# Altium PCB slave.PcbDoc (part 3 of 5) (continued)
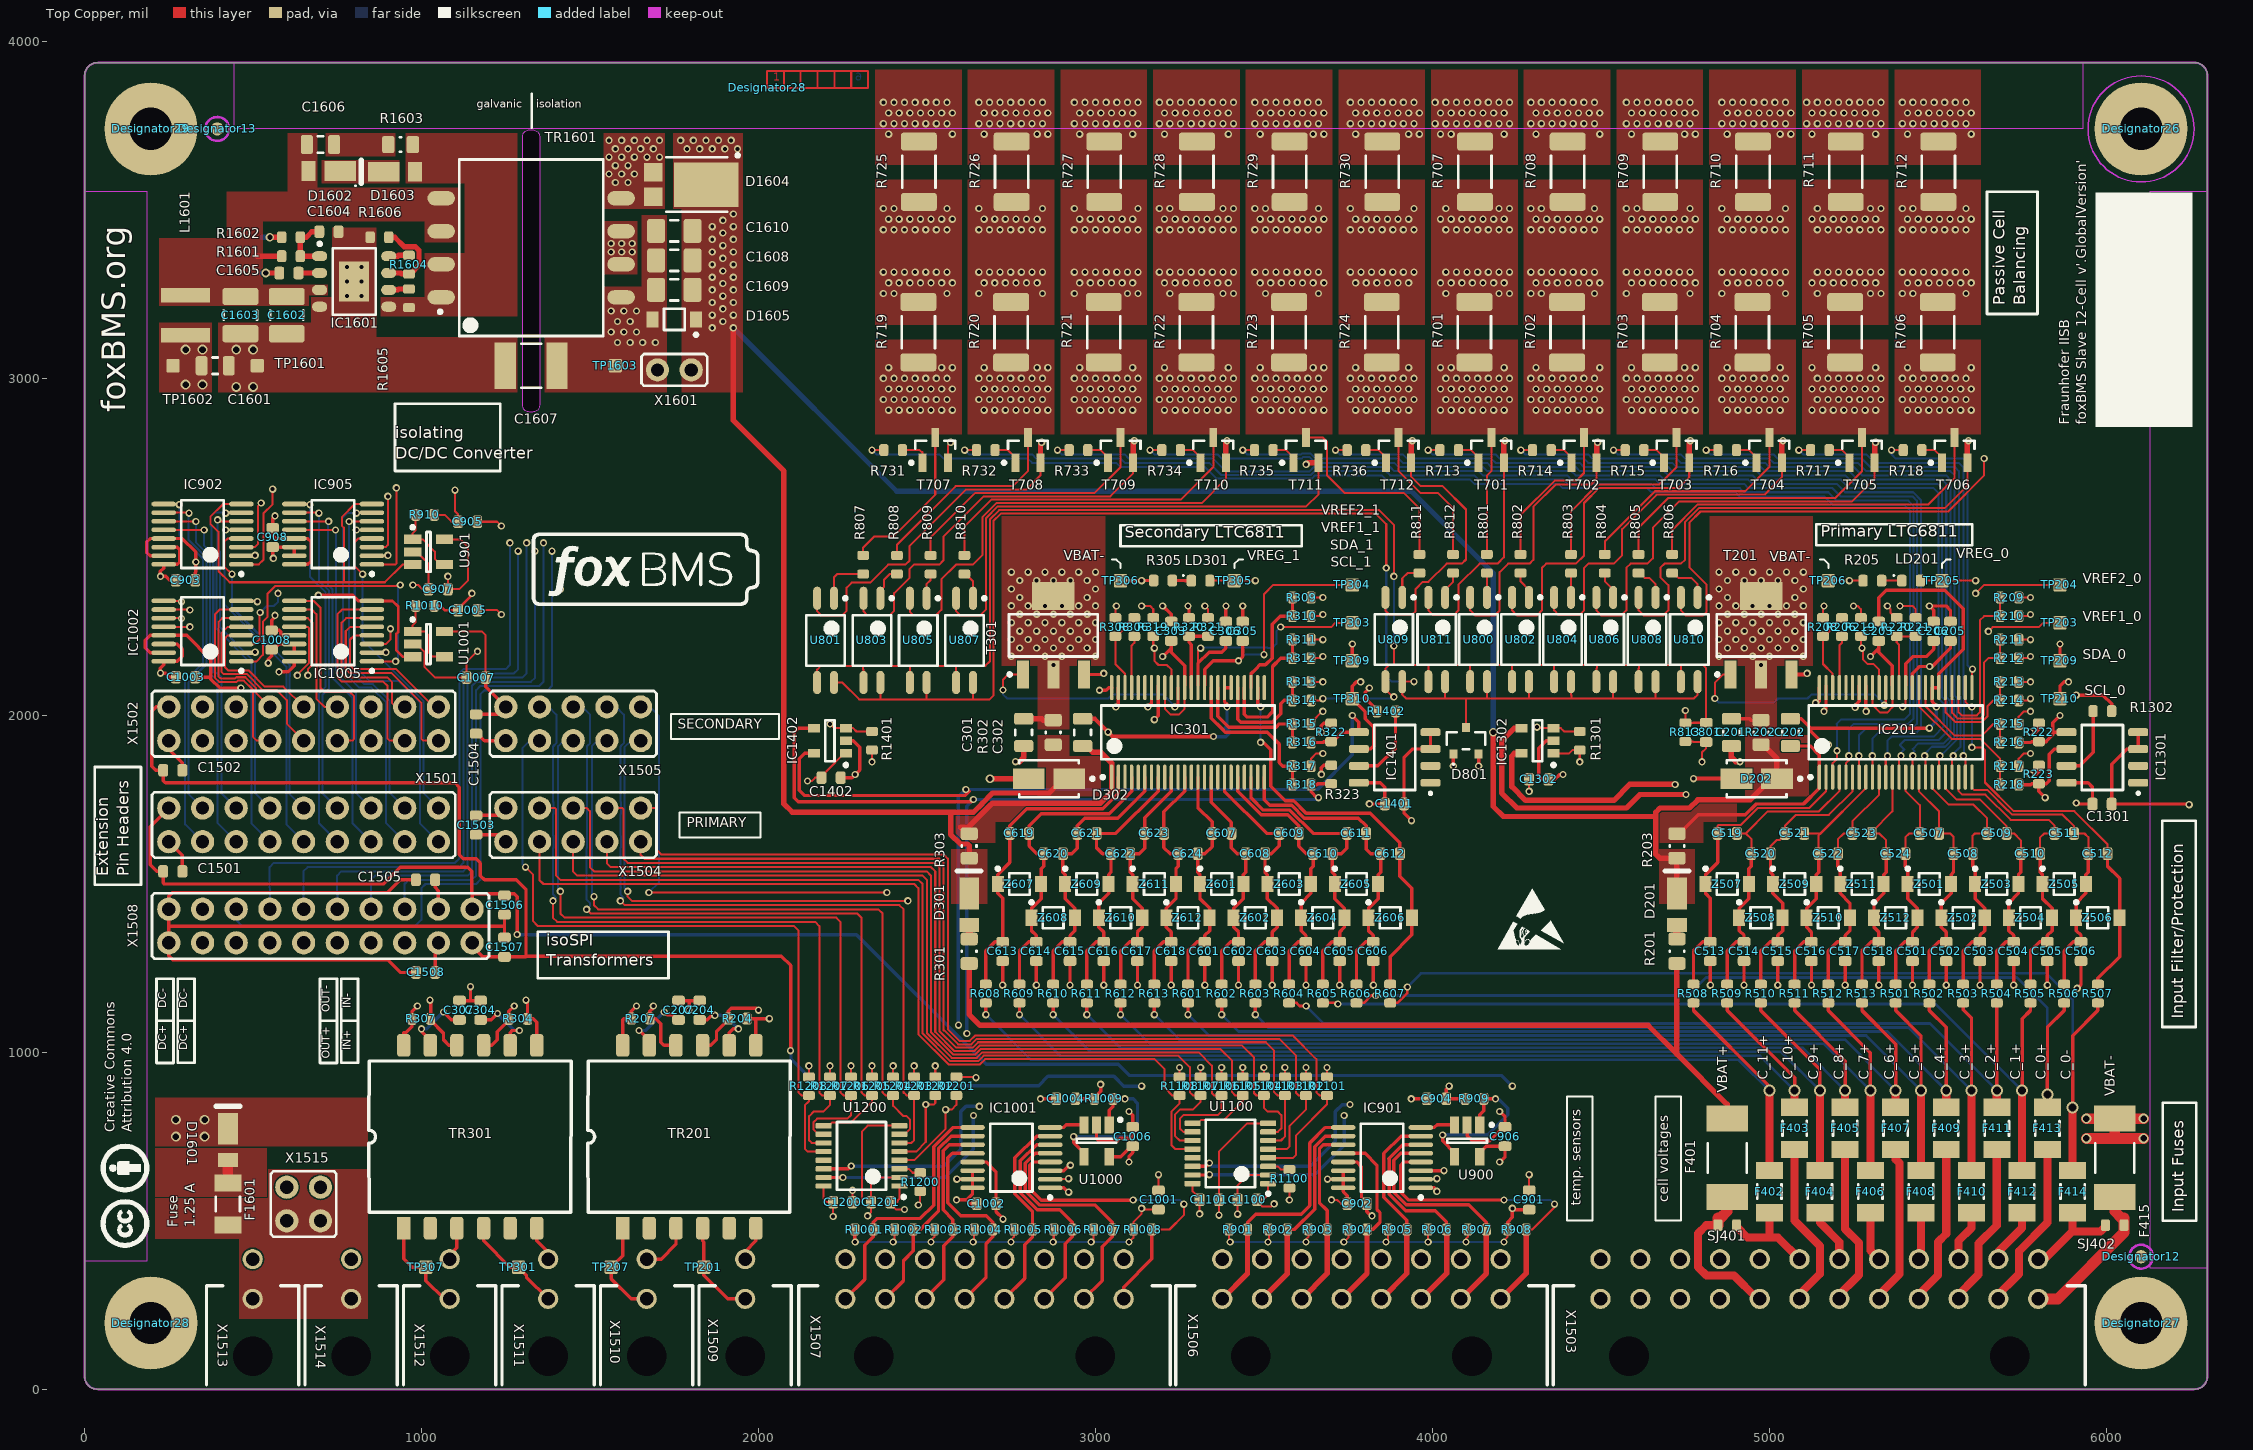
[diagram p0: Top Copper view]
## Nets (pads, with @x,y where several pads share a name; then routed paths per layer and width w, separated by ;. In a path a pad name is that pad's centre, name@x,y a point inside that pad or via, vN(x,y) a via of type N, cw(c..) or ccw(c..) an arc to the next point about the centre after c; other vN are vias at no path point) (continued)
  Top Copper w12: C302.2@2961.71,1989.86 2997.64,1989.86 v1(3037.5,1950) 3050.49,1937.01 v1(3350,1937.01) ; v1(4774.21,1812.01) D202.2@4887.7,1812.01
  Top Copper w16: v4(2686.71,1812.01) D302.2@2787.7,1812.01 ; v1(2762.5,1862.5) 2775,1862.5 2786.71,1875.79 C301.2@2786.71,1909.16 C301.2@2786.71,1910.14 ; C201.2@4886.71,1910.14 C201.2@4886.71,1909.16 4886.71,1875.79 4900,1862.5 v1(4912.5,1862.5)
  Top Copper w32: v2(5940,744.72) 6025,744.72 ; v2(5940,803.15) F415.2@6024.21,803.15 ; v2(6110,744.72) 6025,744.72 ; v2(6110,803.15) F415.2@6024.21,803.15 ; F415.2@6024.21,803.15 6024.21,745.51 6025,744.72
  FUSED_VBAT- w6: 2724.21,1174.51 v1(2724.21,1199.51) ; 2824.21,1174.51 v1(2824.21,1199.51) ; 2924.21,1174.51 v1(2924.21,1199.51) ; 3024.21,1174.51 v1(3024.21,1199.51) ; v1(3061.71,2324.51) 3086.71,2324.51 ; 3124.21,1174.51 v1(3124.21,1199.51) ; 3136.71,2374.51 v1(3136.71,2399.51) ; 3224.21,1174.51 v1(3224.21,1199.51) ; 3249.21,2324.51 v1(3274.21,2324.51) ; 3324.21,1174.51 v1(3324.21,1199.51) ; 3424.21,1174.51 v1(3424.21,1199.51) ; 3524.21,1174.51 v1(3524.21,1199.51) ; 3624.21,1174.51 v1(3624.21,1199.51) ; 3724.21,1174.51 v1(3724.21,1199.51) ; 3799.21,1199.51 v1(3824.21,1199.51) ; v1(4286.71,637.01) 4286.71,662.01 ; v1(4386.71,1824.51) 4411.71,1824.51 ; 4774.21,1862.01 v1(4799.21,1862.01) ; v1(5161.71,2324.51) 5186.71,2324.51 ; 5236.71,2374.51 v1(5236.71,2399.51) ; v1(5349.21,2324.51) 5349.21,2349.51
  FUSED_VBAT- w10: 225,2100 v1(225,2125) ; 225,2387.5 v1(225,2412.5) ; v1(545,2155) 545,2130 550,2125 ; 550,2425 560,2435 v1(560,2466) ; v1@1143.75,1200 1145,1198.75 v1(1145,1195) ; 1793.75,1100 v1(1793.75,1125) ; 2811.71,862.01 v1(2836.71,862.01) ; v1(3037.5,1950) 3062.5,1950 ; v1(3199.21,2324.51) 3199.21,2349.51 ; 3361.71,2324.51 v1(3386.71,2324.51) ; 3411.71,2324.51 v1(3436.71,2324.51) ; 3937.5,1662.5 v1(3937.5,1687.5) ; 4824.21,1174.51 v1(4824.21,1199.51) ; 4924.21,1174.51 v1(4924.21,1199.51) ; 5024.21,1174.51 v1(5024.21,1199.51) ; 5124.21,1174.51 v1(5124.21,1199.51) ; 5175,1887.5 v1(5175,1912.5) ; 5224.21,1174.51 v1(5224.21,1199.51) ; 5324.21,1174.51 v1(5324.21,1199.51) ; 5424.21,1174.51 v1(5424.21,1199.51) ; v1(5474.21,2324.51) 5474.21,2349.51 ; 5524.21,1174.51 v1(5524.21,1199.51) ; 5624.21,1174.51 v1(5624.21,1199.51) ; 5724.21,1174.51 v1(5724.21,1199.51) ; 5824.21,1174.51 v1(5824.21,1199.51) ; v1(5912.82,1190) 5927.5,1190 5925,1187.5
  FUSED_VBAT- w12: 4749.21,1812.01 v1(4774.21,1812.01)
  FUSED_VBAT- w16: 2661.71,1812.01 v4(2686.71,1812.01) ; 2737.5,1862.5 v1(2762.5,1862.5) ; v1(4912.5,1862.5) 4937.5,1862.5
  Bot Copper w10: v1(3350,1937.01) 3386.71,1937.01 3399.21,1949.51 3385,1963.72 3390,1968.72 v1(3390,2025) ; v1(5474.21,1962.01) 5495,1982.8 v1(5495,2025)
  other v1: 1581.25,3106.25 1618.75,3106.25 1656.25,3106.25 1693.75,3106.25 1562.5,3137.5 1600,3137.5 1637.5,3137.5 1581.25,3168.75 1618.75,3168.75 1562.5,3200 1600,3200 1637.5,3200
GLOBAL-BALANCING-FEEDBACK: C801.2 R214.1 R314.1 R813.1 U800.3 U801.3 U802.3 U803.3 U804.3 U805.3 U806.3 U807.3 U808.3 U809.3 U810.3 U811.3 | length 5845.7
  Top Copper w6: U801.3@2173.81,2097.46 2173.81,2135.91 2184.87,2146.97 2310.52,2146.97 ; U803.3@2311.31,2097.46 2311.31,2135.91 2310.52,2136.7 2310.52,2146.97 ; U805.3@2448.81,2097.46 2448.81,2146.97 ; U807.3@2586.31,2097.46 2586.31,2146.97 ; R314.1@3641.24,2044.51 3669.21,2044.51 v1(3674.21,2049.51) ; v1(3885,2055) 3882.36,2055 3860,2077.36 U809.3@3860,2100 3860,2138.45 3871.55,2150 3887.5,2150 ; v1(3885,2205.73) 3885,2152.5 3887.5,2150 ; v1(3885,2412.5) 3885,2565 3841.28,2608.72 2713.72,2608.72 2686.71,2581.71 2686.71,2160.66 2673.02,2146.97 2586.31,2146.97 ; U811.3@3987.5,2100 3987.5,2150 ; U800.3@4111.71,2100 4111.71,2149.21 4112.5,2150 ; U802.3@4235.92,2100 4235.92,2150 ; U804.3@4360.83,2100 4360.83,2148.33 4362.5,2150 ; U806.3@4485.92,2100 4485.92,2138.45 4487.5,2140.03 4487.5,2150 ; U808.3@4611.71,2100 4611.71,2138.45 4612.5,2139.24 4612.5,2150 ; U810.3@4736.61,2100 4736.61,2149.11 4737.5,2150 ; v1(4750,2014.46) R813.1@4750,1977.56 4771.72,1977.56 4772.21,1978.05 C801.2@4811.71,1978.05 4811.71,2140.03 4801.74,2150 4737.5,2150 ; R214.1@5741.24,2044.51 5769.21,2044.51 v1(5774.21,2049.51) ; 2310.52,2146.97 2448.81,2146.97 ; 2448.81,2146.97 2586.31,2146.97 ; 3887.5,2150 3987.5,2150 ; 3987.5,2150 4112.5,2150 ; 4112.5,2150 4235.92,2150 ; 4235.92,2150 4362.5,2150 ; 4362.5,2150 4487.5,2150 ; 4487.5,2150 4612.5,2150 ; 4612.5,2150 4737.5,2150
  Signal Layer 3 w6: v1(4750,2014.46) 4807.36,2071.83 5329.04,2071.83 5362.5,2038.37 5362.5,2026.63 5395.96,1993.17 5717.87,1993.17 v1(5774.21,2049.51)
  Bot Copper w6: v1(3674.21,2049.51) 3874.21,2049.51 3885,2060.3 v1(3885,2055) ; v1(3885,2205.73) v1(3885,2412.5)
LTC-Drive_0: IC201.38 T201.1 | length 698.6
  Top Copper w6: v1(4837.5,2050) 4837.5,2096.13 4862.73,2121.36 T201.1@4884.45,2121.36 ; v1(5340,2030) 5344.69,2034.69 IC201.38@5344.69,2088.68
  Bot Copper w6: v1(4837.5,2050) 4850,2037.5 5012.5,2037.5 5025,2050 5112.5,2050 5125,2062.5 5312.5,2062.5 5340,2035 v1(5340,2030)
LTC-Drive_1: IC301.38 T301.1 | length 707.5
  Top Copper w6: v1(2725,2075) 2725,2105 2741.36,2121.36 T301.1@2784.45,2121.36
  Top Copper w10: v1(3235,2025) 3244.68,2034.68 IC301.38@3244.68,2082.38
  Bot Copper w6: v1(2725,2075) 2725,2062.5 2737.5,2050 3037.5,2050 3050,2062.5 3200,2062.5 3235,2027.5 v1(3235,2025)
LTC-V+_0: C202.1 IC201.1 R203.2 | length 674.2
  Top Copper w10: R203.2@4725,1648.92 4731.89,1648.92 4787.97,1705 4928.03,1705 4960.03,1737 5100.68,1737 5147.83,1784.16 IC201.1@5147.83,1816.64 5147.83,1882.17 5120.84,1909.16 C202.1@5061.71,1909.16
LTC-V+_1: C302.1 IC301.1 R303.2 | length 719.1
  Top Copper w16: R303.2@2625,1648.92 2618.11,1648.92 2598.77,1668.26 2623.26,1668.26 2694.51,1739.51 3014.51,1739.51 3047.83,1772.83 IC301.1@3047.83,1816.64 3047.83,1858.04 3015.18,1890.69 2991.01,1890.69 2972.54,1909.16 C302.1@2961.71,1909.16
NetC201_1: C201.1 R202.1 T201.2 T201.4 | length 89.1
  Top Copper w10: C201.1@4886.71,1989.86 4940.68,1989.86 4944.62,1985.93 R202.1@4974.21,1985.93
  other v1: 4975,2150 4850,2175 4950,2175 5000,2175 5100,2175 4875,2200 4925,2200 4975,2200 5025,2200 5075,2200 4850,2225 4900,2225 4950,2225 5000,2225 5050,2225 5100,2225 4875,2250 4925,2250 4975,2250 5025,2250 5075,2250 4850,2275 4900,2275 4950,2275 5000,2275 5050,2275 5100,2275 4875,2300 4925,2300 4975,2300 5025,2300 5075,2300 4850,2325 4900,2325 4950,2325 5000,2325 5050,2325 5100,2325 4875,2350 5075,2350 4850,2375 5100,2375 4875,2400 4925,2400 4975,2400 5025,2400 5075,2400 4850,2425 4900,2425 4950,2425 5000,2425 5050,2425 5100,2425
NetC204_2: C204.2 TR201.8 | length 206.8
  Top Copper w10: C204.2@1825,1096.46 1847.7,1096.46 1861.24,1110 v1(1870,1110) ; TR201.8@1912.9,1020.85 1912.9,1058.6 1924.3,1070 v1(1940,1070)
  Bot Copper w10: v1(1870,1110) 1900,1110 v1(1940,1070)
NetC207_2: C207.2 TR201.11 | length 207.3
  Top Copper w10: v1(1645,1065) 1645.5,1065 1675.9,1034.6 TR201.11@1675.9,1020.85 ; v1(1720,1120) 1728.11,1111.89 1743.13,1111.89 1758.56,1096.46 C207.2@1762.5,1096.46
  Bot Copper w10: v1(1645,1065) 1665,1065 v1(1720,1120)
NetC301_1: C301.1 R302.1 T301.2 T301.4 | length 90.2
  Top Copper w10: T301.2@2874.21,2110.73 T301.2@2875,2111.52
  Top Copper w16: C301.1@2786.71,1989.86 2840.68,1989.86 2844.62,1985.93 R302.1@2874.21,1985.93
  other v1: 2875,2150 2750,2175 2850,2175 2900,2175 3000,2175 2775,2200 2825,2200 2875,2200 2925,2200 2975,2200 2750,2225 2800,2225 2850,2225 2900,2225 2950,2225 3000,2225 2775,2250 2825,2250 2875,2250 2925,2250 2975,2250 2750,2275 2800,2275 2850,2275 2900,2275 2950,2275 3000,2275 2775,2300 2825,2300 2875,2300 2925,2300 2975,2300 2750,2325 2800,2325 2850,2325 2900,2325 2950,2325 3000,2325 2775,2350 2975,2350 2750,2375 3000,2375 2775,2400 2825,2400 2875,2400 2925,2400 2975,2400 2750,2425 2800,2425 2850,2425 2900,2425 2950,2425 3000,2425
NetC304_2: C304.2 TR301.8 | length 210.9
  Top Copper w10: C304.2@1175,1096.46 1206.46,1096.46 v1(1225,1115) ; TR301.8@1262.9,1020.85 1262.9,1058.6 1269.3,1065 v1(1290,1065)
  Bot Copper w10: v1(1225,1115) 1275,1065 v1(1290,1065)
NetC307_2: C307.2 TR301.11 | length 202.8
  Top Copper w10: v1(1000,1070) 1000,1060.5 1025.9,1034.6 TR301.11@1025.9,1020.85 ; v1(1065,1120) 1088.54,1096.46 C307.2@1112.5,1096.46
  Bot Copper w10: v1(1000,1070) 1015,1070 v1(1065,1120)
NetC1601_2: C1601.2 D1601.2 L1601.1 TP1602.1 | length 3312.3
  Top Copper w32: D1601.2@412.5,800 425,787.5 D1601.2@425,773.46 D1601.2@425,750
  Signal Layer 2 w32: v2(271,750) 287.5,750 312.5,775 ; v2(271,800) 287.5,800 312.5,775 ; v2(300,2981.25) 300,3012.5 275,3037.5 ; v2@302,3085 302,3064.5 275,3037.5 ; v2(350,2981.25) 350,3012.5 337.5,3037.5 ; v2@352,3084 352,3052 337.5,3037.5 ; v2(356.25,750) 337.5,750 312.5,775 ; v2(356.25,800) 337.5,800 312.5,775 ; 275,3037.5 62.5,3037.5 37.5,3012.5 37.5,800 62.5,775 312.5,775 ; 275,3037.5 337.5,3037.5
  other v2: 300,3085 350,3085
NetC1602_2: C1602.2 C1603.2 C1606.2 D1602.2 IC1601.3 L1601.2 R1601.2 TR1601.3 TR1601.4 | length 70.5
  Top Copper w16: 512.5,3362.5 R1601.2@582.97,3362.5
NetC1604_2: C1604.2 IC1601.1 R1601.1 R1602.2 | length 176.9
  Top Copper w16: C1604.2@696.46,3435 674.09,3435 657.84,3418.75 R1602.2@640.06,3418.75 640.06,3384.22 R1601.1@640.06,3362.5 IC1601.1@697.58,3362.5
NetC1605_2: C1605.2 IC1601.2 | length 57.3
  Top Copper w16: C1605.2@640.31,3312.5 IC1601.2@697.58,3312.5
NetC1606_1: C1606.1 R1603.2
NetD201_1: D201.1 R201.2 | length 41
  Top Copper w22: R201.2@4725,1336.42 D201.1@4725,1377.46
NetD301_1: D301.1 R301.2 | length 41
  Top Copper w22: R301.2@2625,1336.42 D301.1@2625,1377.46
NetD801_3: D801.3 U800.4 U801.4 U802.4 U803.4 U804.4 U805.4 U806.4 U807.4 U808.4 U809.4 U810.4 U811.4 | length 4281.6
  Top Copper w6: U801.4@2223.81,2097.46 2248.32,2097.46 2298.32,2047.46 2361.31,2047.46 ; U803.4@2361.31,2097.46 2361.31,2047.46 ; U805.4@2498.81,2097.46 2498.81,2047.46 ; U807.4@2636.31,2097.46 2636.31,2047.46 ; v1(3862.5,2437.5) 3862.5,2567.5 3831.28,2598.72 2718.72,2598.72 2696.71,2576.71 2696.71,2058.65 2685.52,2047.46 2636.31,2047.46 ; v1(3944.89,2100) U809.4@3910,2100 3910,2061.55 3921.55,2050 4037.5,2050 ; U811.4@4037.5,2100 4037.5,2050 ; D801.3@4099.21,1963.88 4099.21,2049.21 4100,2050 ; U800.4@4161.71,2100 4161.71,2050.79 4162.5,2050 ; U802.4@4285.92,2100 4285.92,2051.58 4287.5,2050 ; U804.4@4410.83,2100 4410.83,2061.55 4412.5,2059.88 4412.5,2050 ; U806.4@4535.92,2100 4535.92,2051.58 4537.5,2050 ; U808.4@4661.71,2100 4661.71,2050.79 4662.5,2050 ; U810.4@4786.61,2100 4786.61,2061.55 4775.06,2050 4662.5,2050 ; 2361.31,2047.46 2498.81,2047.46 ; 2498.81,2047.46 2636.31,2047.46 ; 4037.5,2050 4100,2050 ; 4100,2050 4162.5,2050 ; 4162.5,2050 4287.5,2050 ; 4287.5,2050 4412.5,2050 ; 4412.5,2050 4537.5,2050 ; 4537.5,2050 4662.5,2050
  Bot Copper w6: v1(3862.5,2437.5) 3862.5,2116.15 3878.65,2100 v1(3944.89,2100)
NetD1601_1: D1601.1 F1601.2 | length 67.4
  Top Copper w32: F1601.2@425,612.6 D1601.1@425,679.96
NetD1602_1: D1602.1 D1603.2
NetD1603_1: D1603.1 IC1601.5 R1603.1 R1605.2 TR1601.1 TR1601.2
NetD1604_2: D1604.2 D1604.3 TR1601.5
  other v1: 1575,3581.25 1612.5,3581.25 1556.25,3606.25 1593.75,3606.25 1631.25,3606.25 1575,3631.25 1612.5,3631.25 1556.25,3656.25 1593.75,3656.25 1631.25,3656.25 1668.75,3656.25 1706.25,3656.25 1575,3681.25 1612.5,3681.25 1650,3681.25 1687.5,3681.25 1556.25,3706.25 1593.75,3706.25 1631.25,3706.25 1668.75,3706.25 1706.25,3706.25
NetIC201_45: IC201.45 R206.2 | length 147.1
  Top Copper w6: IC201.45@5206.89,2088.68 5206.89,2207.19 5214.84,2215.13 R206.2@5214.84,2232.48
NetIC301_45: IC301.45 R306.2 | length 147.1
  Top Copper w6: IC301.45@3106.89,2088.68 3106.89,2207.19 3114.84,2215.13 R306.2@3114.84,2232.48
NetIC1301_7: IC1301.7 R1302.1 | length 217.8
  Top Copper w10: IC1301.7@5881.2,1850 5920,1850 5959.94,1889.94 R1302.1@5959.94,2012.5
NetIC1401_7: IC1401.7 R1402.1 | length 230.8
  Top Copper w10: IC1401.7@3790.5,1850 3837.5,1850 3890.06,1902.56 R1402.1@3890.06,2012.01
NetIC1601_8: IC1601.8 R1604.1 | length 61.1
  Top Copper w16: IC1601.8@902.42,3362.5 928.92,3362.5 931.48,3365.06 R1604.1@962.5,3365.06
NetLD201_1: LD201.1 R205.2 | length 59.9
  Top Copper w6: R205.2@5332.56,2399.51 LD201.1@5392.44,2399.51
NetLD301_1: LD301.1 R305.2 | length 56.8
  Top Copper w10: R305.2@3227.56,2400 3265.88,2400 3266.37,2399.51 LD301.1@3284.15,2399.51
NetR713_1: R713.1 T701.1 | length 84.8
  Top Copper w6: R713.1@4076.77,2787.01 4115.15,2787.01 4136.81,2765.36 T701.1@4136.81,2749.61
NetR714_1: R714.1 T702.1 | length 84.8
  Top Copper w6: R714.1@4351.77,2787.01 4390.15,2787.01 4411.81,2765.36 T702.1@4411.81,2749.61
NetR715_1: R715.1 T703.1 | length 84.8
  Top Copper w6: R715.1@4626.77,2787.01 4665.15,2787.01 4686.81,2765.36 T703.1@4686.81,2749.61
NetR716_1: R716.1 T704.1 | length 84.8
  Top Copper w6: R716.1@4901.77,2787.01 4940.15,2787.01 4961.81,2765.36 T704.1@4961.81,2749.61
NetR717_1: R717.1 T705.1 | length 84.8
  Top Copper w6: R717.1@5176.77,2787.01 5215.15,2787.01 5236.81,2765.36 T705.1@5236.81,2749.61
NetR718_1: R718.1 T706.1 | length 84.8
  Top Copper w6: R718.1@5451.77,2787.01 5490.15,2787.01 5511.81,2765.36 T706.1@5511.81,2749.61
NetR731_1: R731.1 T707.1 | length 94
  Top Copper w6: R731.1@2426.77,2787.01 2477.99,2787.01 2483.83,2781.17 2486.81,2781.17 T707.1@2486.81,2749.61
NetR732_1: R732.1 T708.1 | length 84.8
  Top Copper w6: R732.1@2701.77,2787.01 2740.15,2787.01 2761.81,2765.36 T708.1@2761.81,2749.61
NetR733_1: R733.1 T709.1 | length 84.8
  Top Copper w6: R733.1@2976.77,2787.01 3015.15,2787.01 3036.81,2765.36 T709.1@3036.81,2749.61
NetR734_1: R734.1 T710.1 | length 84.8
  Top Copper w6: R734.1@3251.77,2787.01 3290.15,2787.01 3311.81,2765.36 T710.1@3311.81,2749.61
NetR735_1: R735.1 T711.1 | length 84.8
  Top Copper w6: R735.1@3526.77,2787.01 3565.15,2787.01 3586.81,2765.36 T711.1@3586.81,2749.61
NetR736_1: R736.1 T712.1 | length 84.8
  Top Copper w6: R736.1@3801.77,2787.01 3840.15,2787.01 3861.81,2765.36 T712.1@3861.81,2749.61
NetR801_2: R801.2 U800.1 | length 72.8
  Top Copper w6: R801.2@4160.92,2422.44 4160.92,2389.24 4161.71,2388.45 U800.1@4161.71,2350
NetR802_2: R802.2 U802.1 | length 82.8
  Top Copper w6: R802.2@4260.92,2422.44 4260.92,2397.64 4285.92,2372.64 U802.1@4285.92,2350
NetR803_2: R803.2 U804.1 | length 72.5
  Top Copper w6: U804.1@4410.83,2350 4410.83,2388.45 4410.92,2388.54 R803.2@4410.92,2422.44
NetR804_2: R804.2 U806.1 | length 82.8
  Top Copper w6: R804.2@4510.92,2422.44 4510.92,2397.64 4535.92,2372.64 U806.1@4535.92,2350
NetR805_2: R805.2 U808.1 | length 103.3
  Top Copper w6: R805.2@4610.92,2422.44 4614.86,2422.44 4629.45,2407.85 4642.31,2407.85 4661.71,2388.45 U808.1@4661.71,2350
NetR806_2: R806.2 U810.1 | length 128.2
  Top Copper w6: R806.2@4710.92,2422.44 4714.86,2422.44 4729.45,2407.85 4767.21,2407.85 4786.61,2388.45 U810.1@4786.61,2350
NetR807_2: R807.2 U801.1 | length 152.8
  Top Copper w6: U801.1@2223.81,2347.46 2223.81,2409.36 2233.85,2419.41 R807.2@2310.52,2419.41
NetR808_2: R808.2 U803.1 | length 105.1
  Top Copper w6: U803.1@2361.31,2347.46 2361.31,2370.1 2372.49,2381.28 2372.49,2403.1 2388.8,2419.41 R808.2@2410.52,2419.41
NetR809_2: R809.2 U805.1 | length 76.8
  Top Copper w6: U805.1@2498.81,2347.46 2498.81,2389.92 2510.52,2401.63 R809.2@2510.52,2419.41
NetR810_2: R810.2 U807.1 | length 84.9
  Top Copper w6: R810.2@2610.52,2419.41 2614.45,2419.41 2636.31,2397.56 U807.1@2636.31,2347.46
NetR811_2: R811.2 U809.1 | length 114
  Top Copper w6: U809.1@3910,2350 3910,2406.53 3925.91,2422.44 R811.2@3960.92,2422.44
NetR812_2: R812.2 U811.1 | length 82.1
  Top Copper w6: U811.1@4037.5,2350 4037.5,2372.64 4060.92,2396.06 R812.2@4060.92,2422.44
NetR909_1: R909.1 U900.1 U900.4 | length 481.7
  Top Copper w10: v1(4030,755) 4030,737.03 4064.97,702.07 U900.4@4064.97,690.26 ; U900.1@4139.77,784.74 4139.77,814.33 4151.77,826.33 R909.1@4151.77,862.01 v1(4186.71,862.01)
  Bot Copper w10: v1(4030,755) 4163.4,755 4223.04,814.64 4223.04,834.38 4197.64,859.78 4188.94,859.78 v1(4186.71,862.01)
NetR910_1: R910.1 U901.1 U901.4 | length 214.5
  Top Copper w6: R910.1@982.44,2595 982.44,2549.2 973.42,2540.18 U901.1@973.42,2522.4 1003.01,2522.4 1039.49,2485.92 1039.49,2464.21 1056.1,2447.6 U901.4@1067.91,2447.6
NetR1009_1: R1009.1 U1000.1 U1000.4 | length 508.3
  Top Copper w10: v1(2935,750) 2935,732.42 2965.35,702.07 U1000.4@2965.35,690.26 ; U1000.1@3040.15,784.74 3040.15,828.68 3051.77,840.29 R1009.1@3051.77,862.01 v1(3086.71,862.01)
  Bot Copper w10: v1(2935,750) 3102.99,750 3124.21,771.22 3124.21,849.51 3111.71,862.01 v1(3086.71,862.01)
NetR1010_1: R1010.1 U1001.1 U1001.4 | length 235.2
  Top Copper w6: R1010.1@982.44,2325 982.44,2275.81 973.42,2266.8 U1001.1@973.42,2249.02 1008.86,2249.02 1020.67,2237.2 1020.67,2186 1032.45,2174.21 U1001.4@1067.91,2174.21
NetR1100_2: R1100.2 U1100.3 | length 66.5
  Top Copper w6: U1100.3@3512.2,661.61 3539.83,661.61 3548.88,652.56 R1100.2@3575,652.56
NetR1200_2: R1200.2 U1200.3 | length 66.8
  Top Copper w6: U1200.3@2417.66,654.37 2445.29,654.37 2456.9,642.76 R1200.2@2479.67,642.76
NetTR1601_6: TR1601.6 TR1601.7
  other v1: 1562.5,3375 1593.75,3375 1625,3375 1562.5,3400 1593.75,3400 1625,3400
PRIMARY-ANALOG-IN_0: IC905.4 X1501.1 | length 948.7
  Top Copper w6: v1(825,2418.75) 800,2443.75 800,2512.46 812.24,2524.7 IC905.4@852.66,2524.7
  Bot Copper w6: v1(825,2418.75) 825,2222.76 1005,2042.76 1005,1769.99 X1501.1@1049.99,1725
PRIMARY-ANALOG-IN_1: IC905.5 X1501.2 | length 1127
  Top Copper w6: v1(806.25,2550) 806.55,2550.3 IC905.5@852.66,2550.3
  Bot Copper w6: v1(806.25,2550) 806.25,2545.76 801.71,2541.22 801.71,2145.37 844.56,2102.52 931.1,2102.52 995,2038.62 995,1679.99 X1501.2@1049.99,1625
PRIMARY-ANALOG-IN_2: IC905.6 X1501.3 | length 1001.9
  Top Copper w6: v1(785,2575) 785.89,2575.89 IC905.6@852.66,2575.89
  Bot Copper w6: v1(785,2575) 784.42,2574.42 784.42,2137.65 829.56,2092.52 855.24,2092.52 905,2042.76 905,1770 X1501.3@950,1725
PRIMARY-ANALOG-IN_3: IC905.7 X1501.4 | length 1153.4
  Top Copper w6: v1(806.25,2600) 807.75,2601.5 IC905.7@851.5,2601.5
  Bot Copper w6: v1(806.25,2600) 779.13,2600 763.17,2584.04 763.17,2562.69 766.53,2559.34 766.53,2130.55 814.56,2082.52 851.1,2082.52 895,2038.62 895,1680 X1501.4@950,1625
PRIMARY-ANALOG-IN_4: IC905.12 X1501.5 | length 991.3
  Top Copper w6: IC905.12@622.34,2550.3 v1(744.7,2550.3)
  Bot Copper w6: v1(744.7,2550.3) 745.58,2549.42 745.58,2126.5 806,2066.08 806,1769 X1501.5@850,1725
PRIMARY-ANALOG-IN_5: IC905.11 X1501.6 | length 1105.8
  Top Copper w6: IC905.11@622.34,2575.89 v1(724.11,2575.89)
  Bot Copper w6: v1(724.11,2575.89) 722.88,2574.65 722.88,2386.27 735.58,2373.58 735.58,2111.5 795,2052.08 795,1680 X1501.6@850,1625
PRIMARY-ANALOG-IN_6: IC905.10 X1501.7 | length 986.1
  Top Copper w6: IC905.10@623.5,2601.5 693.5,2601.5 v1(695,2600)
  Bot Copper w6: v1(695,2600) 695,2400.01 725.58,2369.43 725.58,2080.78 706,2061.21 706,1769 X1501.7@750,1725
PRIMARY-ANALOG-IN_7: IC905.9 X1501.8 | length 1097.1
  Top Copper w6: IC905.9@622.34,2627.07 666.68,2627.07 v1(668.75,2625)
  Bot Copper w6: v1(668.75,2625) 668.75,2412.12 715.58,2365.29 715.58,2084.93 696,2065.35 696,1679 X1501.8@750,1625
PRIMARY-ANALOG-IN_8: IC902.4 X1501.9 | length 941.7
  Top Copper w6: v1(437.5,2418.75) 415.04,2441.21 415.04,2515 424.74,2524.7 IC902.4@465.16,2524.7
  Bot Copper w6: v1(437.5,2418.75) 437.5,2320.01 608.83,2148.68 608.83,2115.82 608.55,2115.54 608.55,1766.45 X1501.9@650,1725
PRIMARY-ANALOG-IN_9: IC902.5 X1501.10 | length 1070.1
  Top Copper w6: v1(418.75,2550) 424.44,2550 424.74,2550.3 IC902.5@465.16,2550.3
  Bot Copper w6: v1(418.75,2550) 418.75,2545.76 415.67,2542.69 415.67,2327.69 598.83,2144.54 598.83,2119.96 598.55,2119.68 598.55,1676.45 X1501.10@650,1625
PRIMARY-ANALOG-IN_10: IC902.6 X1501.11 | length 991.1
  Top Copper w6: v1(395,2580) 399.11,2575.89 IC902.6@465.16,2575.89
  Bot Copper w6: v1(395,2580) 395,2491.58 401.83,2484.75 401.83,2261.06 505,2157.88 505,1770 X1501.11@550,1725
PRIMARY-ANALOG-IN_11: IC902.7 X1501.12 | length 1134.8
  Top Copper w6: v1(418.75,2600) 420.25,2601.5 IC902.7@464,2601.5
  Bot Copper w6: v1(418.75,2600) 416.92,2601.83 385.96,2601.83 373.17,2589.04 373.17,2562.69 376.53,2559.34 376.53,2495.9 391.83,2480.61 391.83,2256.91 495,2153.74 495,1680 X1501.12@550,1625
PRIMARY-ANALOG-IN_12: IC902.12 X1501.13 | length 989.1
  Top Copper w6: IC902.12@234.84,2550.3 v1(354.7,2550.3)
  Bot Copper w6: v1(354.7,2550.3) 354.7,2503.59 381.83,2476.47 381.83,2129.39 386.71,2124.51 393.29,2124.98 406.25,2112.49 406.25,1768.75 X1501.13@450,1725
PRIMARY-ANALOG-IN_13: IC902.11 X1501.14 | length 1095.2
  Top Copper w6: IC902.11@234.84,2575.89 329.11,2575.89 v1(330,2575)
  Bot Copper w6: v1(330,2575) 330,2514.15 371.83,2472.33 371.83,2125.25 395,2102.08 395,1680 X1501.14@450,1625
PRIMARY-ANALOG-IN_14: IC902.10 X1501.15 | length 1011.8
  Top Copper w6: IC902.10@236,2601.5 308.5,2601.5 v1(310,2600)
  Bot Copper w6: v1(310,2600) 308.17,2598.17 308.17,2521.84 361.83,2468.18 361.83,2152.46 308.55,2099.19 308.55,1766.45 X1501.15@350,1725
PRIMARY-ANALOG-IN_15: IC902.9 X1501.16 | length 1119.9
  Top Copper w6: IC902.9@234.84,2627.07 275.26,2627.07 277.33,2625 v1(281.25,2625)
  Bot Copper w6: v1(281.25,2625) 281.25,2534.62 351.83,2464.04 351.83,2156.61 298.55,2103.33 298.55,1676.45 X1501.16@350,1625
PRIMARY-C0: C512.2 IC201.26 R507.2 Z506.2 | length 1222.1
  Top Copper w6: IC201.26@5580.9,2082.38 5580.9,2040.98 5596.89,2025 v1(5600,2025) ; v1(5600,1905) 5631.22,1905 5639.21,1897.01 5639.21,1800.79 5724.33,1715.67 5904.33,1715.67 6002.75,1617.25 C512.2@6002.75,1589.51 C512.2@6002.75,1574.51
  Top Copper w10: R507.2@5974.21,1202.07 5974.21,1219.85 6038.58,1284.22 Z506.2@6038.58,1399.51 6038.58,1515.98 6002.75,1551.81 C512.2@6002.75,1574.51
  Bot Copper w6: v1(5600,1905) v1(5600,2025)
PRIMARY-C1: C506.1 C511.2 C512.1 IC201.24 R506.2 Z505.2 Z506.1 | length 942.3
  Top Copper w6: IC201.24@5600.59,1816.64 5600.59,1784.16 5606.9,1777.85 5647.15,1777.85 5707.5,1717.5 5708.36,1717.5 5720.18,1705.67 5869.29,1705.67 5902.75,1672.21 C511.2@5902.75,1649.51 5934.51,1649.51 5945.67,1638.35 C512.1@5945.67,1589.51
  Top Copper w10: R506.2@5874.21,1202.07 5874.21,1300.75 5901.51,1328.05 C506.1@5924.21,1328.05 5924.21,1346.82 5909.84,1361.19 Z506.1@5909.84,1399.51 5909.84,1442.75 5938.58,1471.49 Z505.2@5938.58,1499.51 5938.58,1527.53 5945.67,1534.61 C512.1@5945.67,1589.51
PRIMARY-C2: C505.1 C510.2 C511.1 IC201.22 R505.2 Z504.2 Z505.1 | length 929.5
  Top Copper w6: IC201.22@5561.22,1816.64 5561.22,1775.23 5571.45,1765 5640,1765 5715,1690 5827.88,1690 5845.67,1672.21 C511.1@5845.67,1649.51 5814.51,1649.51 5802.75,1637.75 C510.2@5802.75,1589.51
  Top Copper w10: R505.2@5774.21,1202.07 5774.21,1300.75 5801.51,1328.05 C505.1@5824.21,1328.05 5824.21,1346.82 5838.58,1361.19 Z504.2@5838.58,1399.51 5838.58,1427.53 5809.84,1456.27 Z505.1@5809.84,1499.51 5809.84,1527.53 5802.75,1534.61 C510.2@5802.75,1589.51
PRIMARY-C3: C504.1 C509.2 C510.1 IC201.20 R504.2 Z503.2 Z504.1 | length 815.8
  Top Copper w6: IC201.20@5521.85,1816.64 5521.85,1784.16 5556,1750 5624.96,1750 5702.75,1672.21 C509.2@5702.75,1649.51 5725.49,1649.51 5745.67,1629.33 C510.1@5745.67,1589.51
  Top Copper w10: R504.2@5674.21,1202.07 5674.21,1300.75 5701.51,1328.05 C504.1@5724.21,1328.05 5724.21,1346.82 5709.84,1361.19 Z504.1@5709.84,1399.51 5709.84,1442.75 5738.58,1471.49 Z503.2@5738.58,1499.51 5738.58,1527.53 5745.67,1534.61 C510.1@5745.67,1589.51